# Altium PCB VFDPower.PcbDoc
Units mm, origin at the board's own origin, x right, y up, seen from the top; angles counter-clockwise.
Board outline 90.04 x 90.04 mm, 2 copper layers (Top Layer, Bottom Layer); 23 components, 12 nets, 76 pads, 88 vias.
Unrouted connection lines stored in the file: 3.
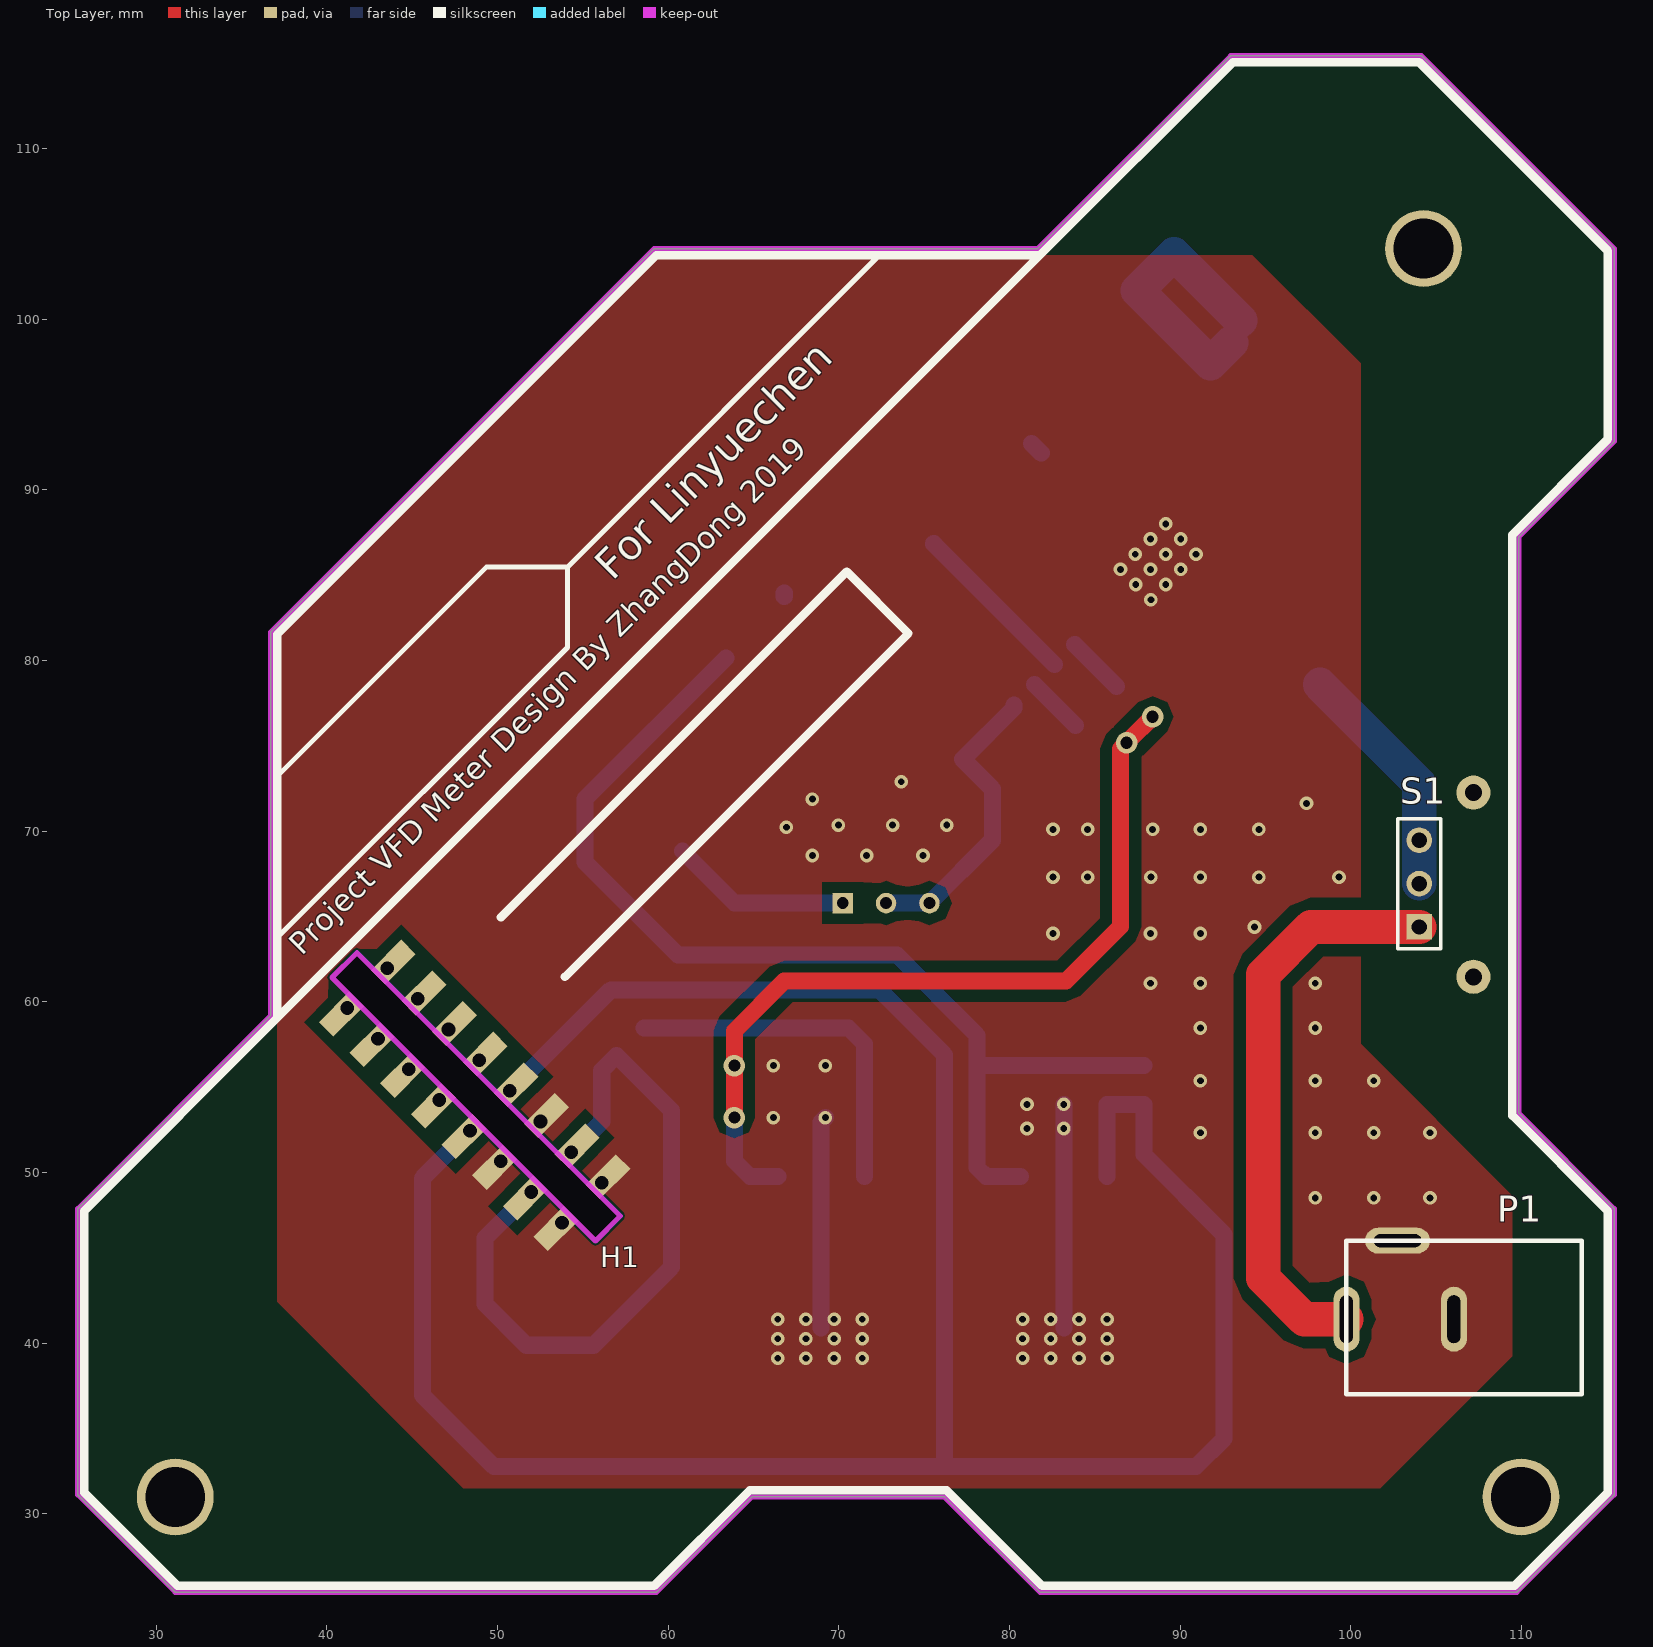
[diagram p0: Top Layer view]
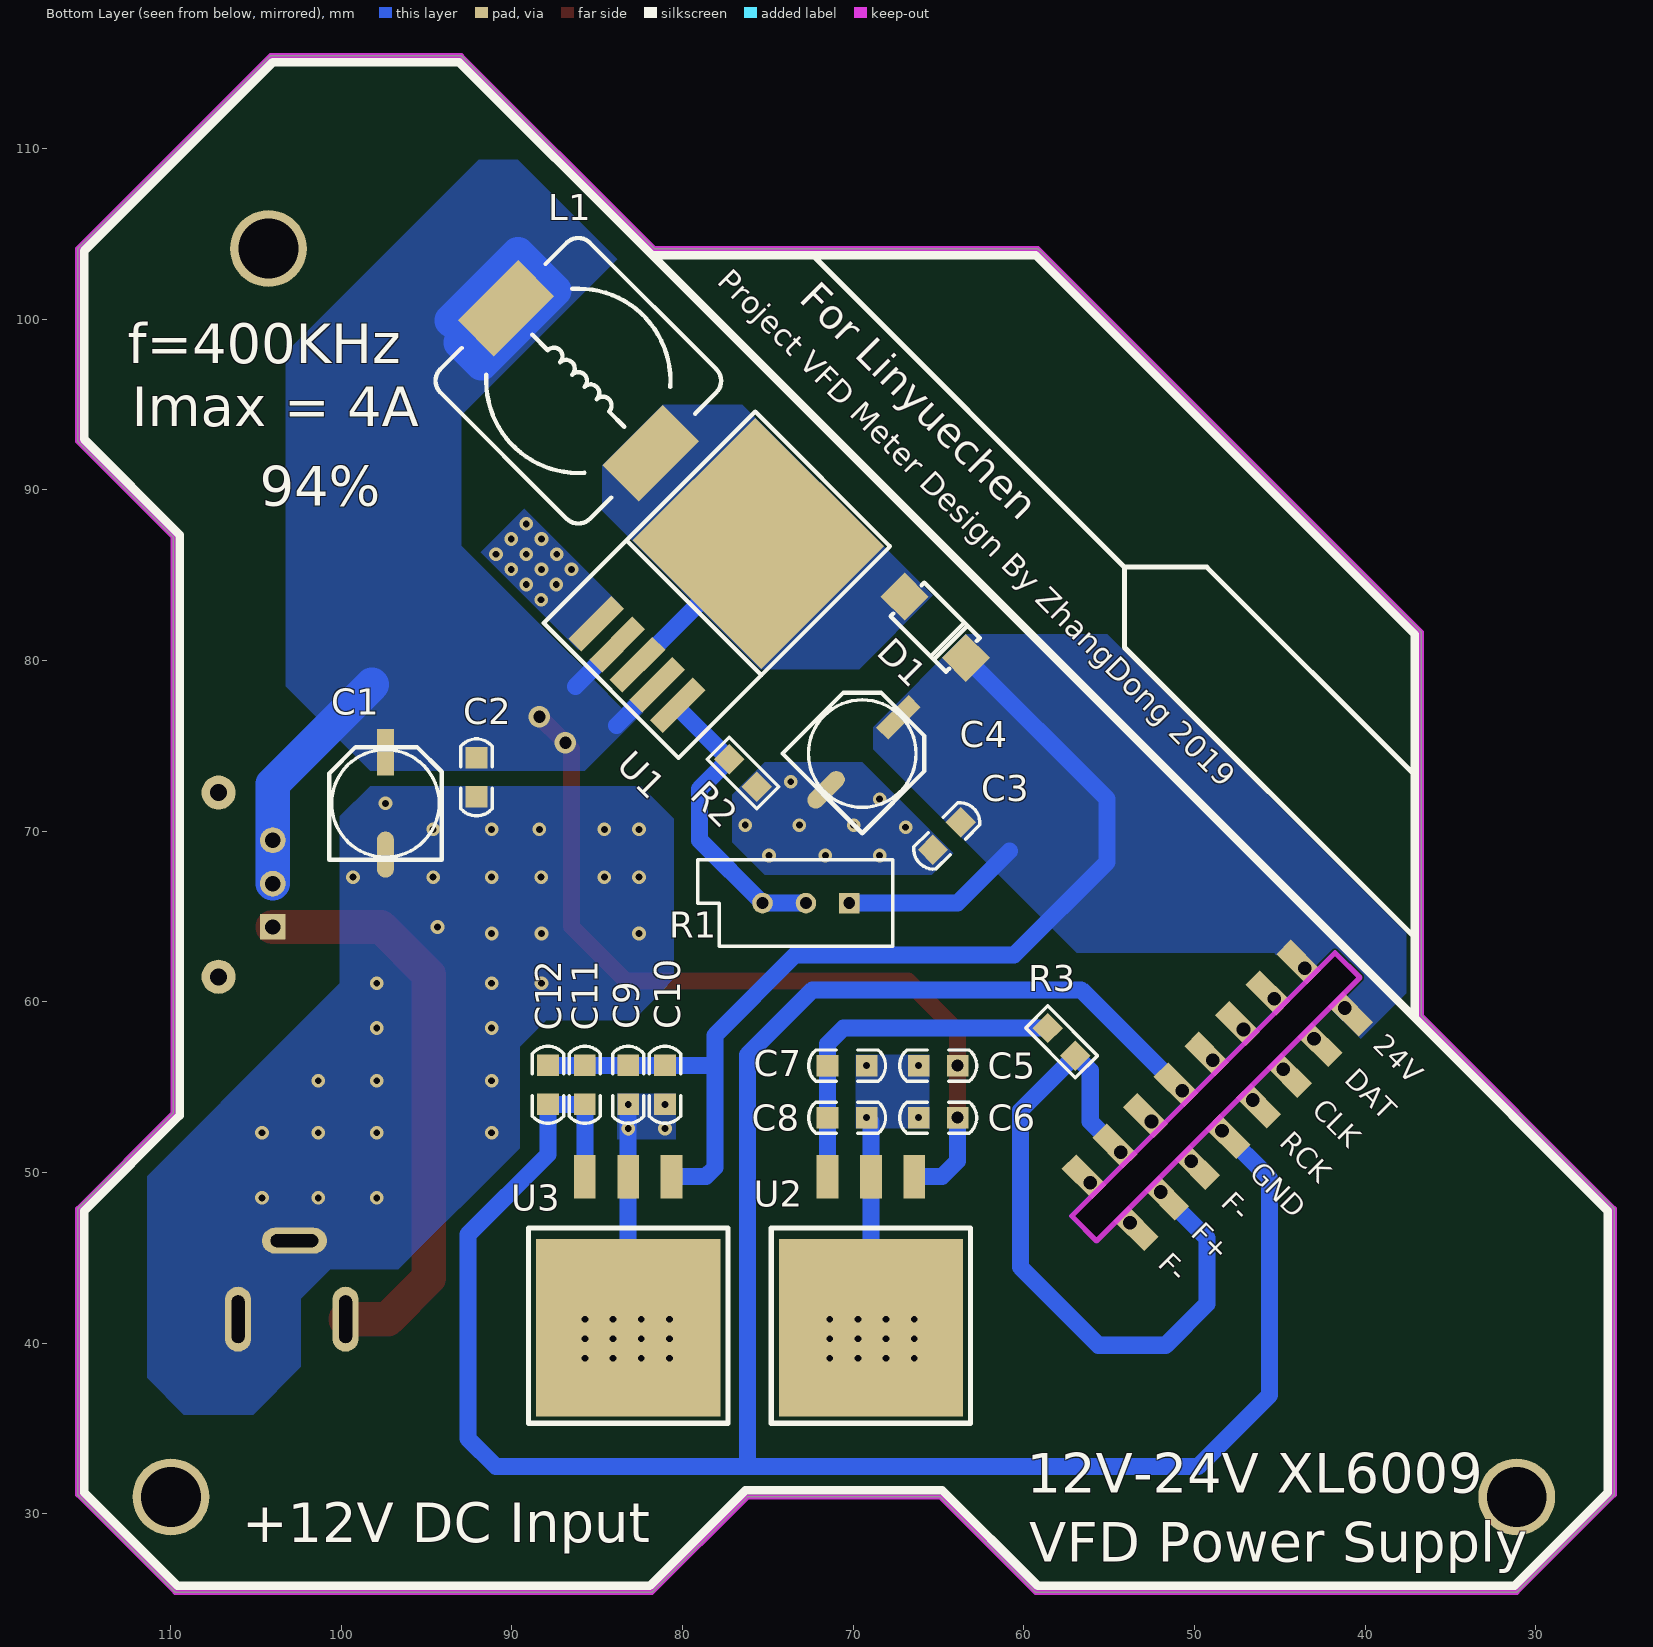
[diagram p1: Bottom Layer view, seen from below]

## Layer stack, top to bottom
Top Solder: solder mask 0.0102, Solder Resist, Dk 3.5
Top Layer: signal copper 0.0356
Dielectric 1: dielectric 0.32, FR-4, Dk 4.8
Bottom Layer: signal copper 0.0356
Bottom Solder: solder mask 0.0102, Solder Resist, Dk 3.5

## Board outline
31.115,25.4 59.309,25.4 64.897,30.988 76.2,30.988 81.788,25.4 109.728,25.4 115.443,31.115 115.443,47.879 109.855,53.467 109.855,87.249 115.443,92.837 115.443,104.14 104.14,115.443 92.964,115.443 81.661,104.14 59.182,104.14 36.703,81.661 36.703,59.182 25.4,47.879 25.4,31.115
cut-out: 55.735,45.992 40.304,61.423 41.765,62.883 57.195,47.453

## Design rules (kind name [scope] priority, off if disabled: settings)
Clearance [All] p1: gap=0.254 ignorepadtopadclearanceinfootprint=FALSE except(0: Arc-Hole Track-Hole SMDPad-Hole THPad-Hole Via-Hole Fill-Hole Poly-Hole Region-Hole Text-Hole; 0.608: Arc-Fill Arc-Poly Arc-Region Track-Fill Track-Poly Track-Region THPad-Fill THPad-Poly THPad-Region)
PlaneConnect [All] p1: planeconnectstyle=Direct reliefexpansion=0.508 reliefentries=4 reliefconductorwidth=0.254 reliefairgap=0.254
PolygonConnect [All] p1: connectstyle=Direct reliefconductorwidth=0.254 reliefentries=4 polygonreliefangle="90 Angle" airgapwidth=0.254
RoutingVias [All] p1: holewidth=0.711 width=1.27 viastyle="Through Hole" minholewidth=0.3 minwidth=0.8 maxholewidth=0.711 maxwidth=1.27
SolderMaskExpansion [All] p1: expansion=0.102
Width [All] p1: maxlimit=10 minlimit=0.254 preferedwidth=0.5
29 further rules are at their usual default settings.

## Components (designator, comment, footprint, x,y, rotation, side; value= is the part's Value field where it differs from the comment)
C1 "35V/220uF" "CM D(6.3*5.4)" 97.409,71.628 r90 bottom
C2 "104" "C 0805" 92.075,73.152 r90 bottom
C3 "104" "C 0805" 64.516,69.723 r135 bottom
C4 "50V/100uF" "CM D(6.3*5.4)" 69.469,74.549 r135 bottom
C5 "105" "C 0805" 65.024,56.261 r180 bottom
C6 "104" "C 0805" 65.024,53.213 r180 bottom
C7 "105" "C 0805" 70.358,56.261 r0 bottom
C8 "104" "C 0805" 70.358,53.213 r180 bottom
C9 "105" "C 0805" 83.185,55.136 r90 bottom
C10 "104" "C 0805" 81.026,55.136 r90 bottom
C11 "105" "C 0805" 85.725,55.136 r90 bottom
C12 "104" "C 0805" 87.884,55.136 r90 bottom
D1 "D 肖特基" "DO-214-M7-  4007贴片" 65.278,82.042 r45 bottom value=SS34
H1 "Seat" SEAT8 41.203,59.635 r315 top
L1 "470" CDRH127 86.106,96.393 r225 bottom
P1 "5.5" DC-5.5*2.1 113.545,46.002 r180 top
R1 "RPot" VR5 72.771,65.786 r0 bottom value=25k
R2 "1K" "R 0805" 76.454,73.406 r45 bottom
R3 "1K" "R 0805" 57.785,57.658 r225 bottom
S1 "Switch" HDR1X3 104.013,64.389 r90 top
U1 "XL6009" TO-263(T) 75.565,86.868 r225 bottom
U2 "7805" TO-263 66.421,49.276 r0 bottom
U3 "7905" TO-263 80.645,49.276 r0 bottom

## Footprints (in the part's own frame and the unit in brackets; to place one, negate y for a bottom-side part, rotate by r counter-clockwise, add the part's x,y. Pads: shape width x height; smd on the part's side, far side on the other; paste and mask are expansions set on the pad)
"C 0805" [mil] "无极性贴片电容"
  rect 50x50 smd: 1(-45,0) 2(45,0)
  silkscreen extent -89,-36 89,36, body extent -39,-24 39,24, height 20
CDRH127 [mm] "12*12*8mm（长宽高）"
  rect 3x5 smd: 1(-6,0) 2(6,0)
  silkscreen extent -6.2,-6.2 6.2,6.2, body extent -6,-6 6,6, height 7.8
"CM D(6.3*5.4)" [mm] "贴片电解电容，直径6.3mm，高5.4mm"
  rect 2.7x1 smd: 1(3,0)
  oval 2.7x1 smd: 2(-3,0)
  silkscreen extent -3.3,-3.3 3.3,3.3, body extent -3.5,-3.3 3.5,3.3, height 5.4
DC-5.5*2.1 [mil]
  oval 60x150 hole 30 slot 110 at 90 deg: 1(543.31,181.1) 3(295.28,181.1)
  oval 150x60 hole 30 slot 110 at 0 deg: 2(425.2,0)
  silkscreen extent 0,0 543,354, body extent -32,-5 566,365, height 472
"DO-214-M7-  4007贴片" [mm]
  rect 2x2 smd: 1(2.413,0) 2(-2.667,0)
  silkscreen extent -2.41,-1.4 2.19,1.4, body extent -2.73,-1.33 2.47,1.27, height 2.53
HDR1X3 [mm] "Connector; Header; 3 Position"
  rect 1.5x1.5 hole 0.9: 1(0,0)
  round 1.5 hole 0.9: 2(2.54,0) 3(5.08,0)
  silkscreen extent -1.27,-1.27 6.35,1.27
"R 0805" [mil] "1/8W贴片电阻"
  rect 50x50 smd: 1(-45,0) 2(45,0)
  silkscreen extent -81,-36 81,36, body extent -39,-25 39,25, height 20
SEAT8 [mm]
  rect 1.2x2.54 hole 0.8 copper offset 0,0.5: 1(0,3.302) 2(2.54,3.302) 3(5.08,3.302) 4(7.62,3.302) 5(10.16,3.302) 6(12.7,3.302) 7(15.24,3.302) 8(17.78,3.302)
  rect 1.2x2.54 hole 0.8 copper offset 0,-0.5: 1(0,0) 2(2.54,0) 3(5.08,0) 4(7.62,0) 5(10.16,0) 6(12.7,0) 7(15.24,0) 8(17.78,0)
TO-263 [mil]
  rect 50x100 smd: 1(0,-19) 2(100,-19) 3(200,-19)
  rect 425x410 smd: 2(100,330)
  silkscreen extent -130,100 330,550
TO-263(T) [mil]
  rect 42x140 smd: 1(-133,-395) 2(-65,-395) 3(1,-395) 4(66,-395) 5(133,-395)
  rect 420x400 smd: 3(0,0)
  silkscreen extent -220,-480 220,210, body extent -199,-408 201,144, height 180
VR5 [mm] "Thru-Hole; 3 Leads"
  rect 1.2x1.2 hole 0.7: 1(-2.54,0)
  round 1.2 hole 0.7: 2(0,0) 3(2.54,0)
  silkscreen extent -5.08,-2.54 6.35,2.54

## Part data
C1 C4: library part C-CM, "贴片电解电容"
C2 C3 C5 C6 C7 C8 C9 C10 C11 C12: library part C, "无极性贴片电容"
L1: library part L-CDRH, "功率屏蔽电感"
P1 S1: library part "Header 3", "Header, 3-Pin", LatestRevisionDate=17-Jul-2002, LatestRevisionNote="Re-released for DXP Platform.", Publisher="Altium Limited"
R1: "Potentiometer", LatestRevisionDate=17-Jul-2002, LatestRevisionNote="Re-released for DXP Platform.", PackageDescription="Variable Resistor, Thru-Hole; 3 Leads", PackageReference=VR5, Published=8-Jun-2000, Publisher="Altium Limited", Set Position=0.5, Sim Note="Enter the Resistance value and the set point into parameter fields."
R2 R3: library part R, "贴片电阻"
U2: library part 78XX
U3: library part 79**
D1: Code_JEDEC=DO-214-AA, LatestRevisionDate=17-Jul-2002, LatestRevisionNote="Re-released for DXP Platform.", PackageDescription="DO-214-AA/SMB; 2 C-Bend Leads; Body 5.3 x 3.6 mm, inc. leads (LxW)", PackageReference=SMB, Published=8-Jun-2000, Publisher="Altium Limited"

## Free pads (board coordinates)
  round 4.5 hole 3.5: 2(104.267,104.14) 3(109.982,30.988) 4(31.115,30.988)
  round 2 hole 1: 5(107.188,61.468) 6(107.188,72.263)

## Via types
v1: diameter 0.8, hole 0.4, Top Layer to Bottom Layer, 84 vias
v2: diameter 1.27, hole 0.711, Top Layer to Bottom Layer, 4 vias

## Nets (pads, with @x,y where several pads share a name; then routed paths per layer and width w, separated by ;. In a path a pad name is that pad's centre, name@x,y a point inside that pad or via, vN(x,y) a via of type N, cw(c..) or ccw(c..) an arc to the next point about the centre after c; other vN are vias at no path point)
+12V: C1.1 C2.2 C5.2 C6.2 L1.1 S1.2 S1.3 U1.2 U1.4 U2.1 | length 85.8
  Top Layer w1: v2(63.881,53.213) v2(63.881,56.261) 63.881,58.293 66.802,61.214 83.312,61.214 86.51,64.412 86.51,74.826 v2(86.868,75.184) ; v2@86.995,75.311 v2(88.392,76.708)
  Bottom Layer w1: v2(63.881,53.213) 63.881,50.673 64.795,49.759 U2.1 ; U1.4 83.862,76.2 ; U1.2 86.282,78.486
  Bottom Layer w2: 93.009,98.639 91.779,97.409 87.503,101.685 89.642,103.823 93.536,99.929 ; 98.196,78.588 104.013,72.771 S1.3 S1.2
+24V: C3.2 C4.1 C9.2 C10.2 C11.2 C12.2 D1.2 H1.1 R1.1 U3.1 | length 73.5
  Bottom Layer w1: 60.833,68.834 63.881,65.786 R1.1 ; D1.2 55.118,71.882 55.118,68.199 60.579,62.738 73.406,62.738 78.105,58.039 78.105,56.279 ; U3.1 78.638,49.759 78.105,50.292 78.105,56.279 ; C12.2 C11.2 C9.2 C10.2 78.105,56.279
CLK: H1.3
DAT: H1.2
F+: H1.7 R3.2 | length 42
  Bottom Layer w1: H1.7@51.979,48.859 49.276,46.156 49.276,42.291 51.689,39.878 55.626,39.878 60.198,44.45 60.198,53.629 R3.2 56.11,55.983 56.11,52.99 H1.7@54.314,51.194
F-: C1.2 C2.1 C3.1 C4.2 C5.1 C6.1 C7.1 C8.2 C9.1 C10.1 H1.6 H1.8 P1.2 P1.3 R2.1 U1.1 U2.2 U3.2 | length 25.5
  Bottom Layer w1: U2.2@68.961,40.894 68.961,49.759 68.961,52.959 v1(69.215,53.213) ; U3.2@83.185,40.894 83.185,49.759 v1(83.185,53.993)
  other v1: 66.421,39.116 68.072,39.116 69.723,39.116 71.374,39.116 80.772,39.116 82.423,39.116 84.074,39.116 85.725,39.116 66.421,40.259 68.072,40.259 69.723,40.259 71.374,40.259 80.772,40.259 82.423,40.259 84.074,40.259 85.725,40.259 66.421,41.402 68.072,41.402 69.723,41.402 71.374,41.402 80.772,41.402 82.423,41.402 84.074,41.402 85.725,41.402 97.917,48.514 101.346,48.514 104.648,48.514 91.186,52.324 97.917,52.324 101.346,52.324 104.648,52.324 81.026,52.578 83.185,52.578 66.167,53.213 81.026,53.993 91.186,55.372 97.917,55.372 101.346,55.372 66.167,56.261 69.215,56.261 91.186,58.466 97.917,58.466 88.265,61.087 91.186,61.087 97.917,61.087 82.55,64.008 88.265,64.008 91.186,64.008 94.361,64.389 82.55,67.31 84.582,67.31 88.288,67.31 91.186,67.31 94.615,67.31 99.314,67.31 68.453,68.58 71.628,68.58 74.93,68.58 82.55,70.104 84.582,70.104 88.392,70.104 91.186,70.104 94.615,70.104 66.929,70.231 69.977,70.358 73.152,70.358 76.327,70.358 97.409,71.628 68.453,71.882 73.66,72.898 88.288,83.566 87.399,84.455 89.154,84.455 86.51,85.344 88.265,85.344 90.043,85.344 87.376,86.233 89.154,86.233 90.932,86.233 88.265,87.122 90.043,87.122 89.154,88.011
GND: C11.1 C12.1 H1.5 U3.3 | length 147.6
  Bottom Layer w1: H1.5@48.387,52.451 45.593,49.657 45.593,36.957 49.784,32.766 76.2,32.766 ; H1.5@50.722,54.786 56.642,60.706 72.39,60.706 76.2,56.896 76.2,32.766 ; U3.3 C11.1 C12.1 87.884,51.054 92.583,46.355 92.583,34.417 90.932,32.766 76.2,32.766
NetC7_2: C7.2 C8.1 R3.1 U2.3 | length 21.1
  Bottom Layer w1: R3.1 70.566,58.466 71.501,57.531 C7.2 C8.1 U2.3
NetD1_1: D1.1 L1.2 U1.3 | length 11
  Bottom Layer w1: D1.1@66.802,83.748 D1.1@66.802,83.947 ; U1.3@75.565,86.868 75.565,86.832 U1.3@82.641,79.756 ; L1.2@81.304,92.71 L1.2
NetP1_1: P1.1 S1.1 | length 34
  Top Layer w2: P1.1 97.282,41.402 94.869,43.815 94.869,61.595 97.663,64.389 S1.1
NetR1_2: R1.2 R1.3 R2.2 U1.5 | length 17.6
  Bottom Layer w1: R1.2 R1.3 78.994,69.469 78.994,72.482 R2.2 80.271,77.223 U1.5
RCK: H1.4

## Polygon pours and split planes (outlines as drawn)
F- on Bottom Layer "F-_L02_P030" (solid, pour order 30): 100.647,44.323 102.362,42.608 102.362,38.608 105.156,35.814 109.22,35.814 111.379,37.973 111.379,49.784 107.061,54.102
F- on Bottom Layer "F-_L02_P024" (solid, pour order 24): 87.716,59.182 89.535,57.363 89.535,51.435 96.647,44.323 104.648,44.323 107.061,46.736 107.061,54.102 100.076,61.087
F- on Bottom Layer "F-_L02_P014" (solid, pour order 14): 80.391,54.61 80.391,51.943 83.82,51.943 83.82,54.61
F- on Bottom Layer "F-_L02_P012" (solid, pour order 12): 65.532,56.896 65.532,52.578 69.85,52.578 69.85,56.896
F- on Bottom Layer "F-_L02_P010" (solid, pour order 10): 82.423,72.644 98.298,72.644 100.076,70.866 100.076,61.087 97.917,58.928 82.86,58.928 80.518,61.367 80.518,70.739
F- on Bottom Layer "F-_L02_P008" (solid, pour order 8): 64.135,68.707 69.469,74.041 75.184,74.041 77.089,72.136 77.089,69.342 75.184,67.437 65.405,67.437
F- on Bottom Layer "F-_L02_P006" (solid, pour order 6): 83.693,83.312 89.281,88.9 91.821,86.36 86.038,80.577
+24V on Bottom Layer "+24V_L02_P004" (solid, pour order 4): 63.392,81.534 68.834,76.092 68.834,74.803 56.896,62.865 45.339,62.865 45.212,62.738 44.704,63.246 44.069,63.246 42.672,61.849 41.701,62.82 40.304,61.423 42.037,59.69 42.037,59.617 40.259,57.839 37.592,60.506 37.592,64.008 55.118,81.534
NetD1_1 on Bottom Layer "NETD1_1_L02_P002" (solid, pour order 2): 81.153,94.996 76.5,94.996 65.324,83.82 69.642,79.502 75.438,79.502 84.709,88.773 84.709,91.44
+12V on Bottom Layer "+12V_L02_P000" (solid, pour order 0): 83.827,103.505 89.669,109.347 91.948,109.347 103.251,98.044 103.251,78.486 98.298,73.533 85.725,73.533 82.296,76.962 83.058,77.724 83.566,77.216 85.217,78.867 84.646,79.439 85.344,80.137 85.852,79.629 87.249,81.026 92.964,86.741 92.964,94.361
F- on Top Layer "F-_L01_P020" (solid, pour order 20): 81.788,103.759 59.309,103.759 37.084,81.534 37.084,42.418 48.006,31.496 101.727,31.496 109.474,39.243 109.474,48.641 100.584,57.531 100.584,97.409 94.234,103.759
no net on Top Layer "NONET_L01_P018" (solid, pour order 18): 89.662,109.347

## Keep-outs
Keep-Out Layer:
  lines w0.3: 25.4,31.115 31.115,25.4 59.182,25.4 59.309,25.4 64.897,30.988 76.2,30.988 81.788,25.4 109.728,25.4 115.443,31.115 115.443,47.879 109.855,53.467 109.855,87.249 115.443,92.837 115.443,104.14 104.14,115.443 92.964,115.443 81.661,104.14 59.182,104.14 36.703,81.661 36.703,59.182 25.4,47.879 25.4,31.115 ; 40.304,61.423 55.735,45.992 57.195,47.453 41.765,62.883 40.304,61.423

## Silkscreen, mask and mechanical layers (free items; w line width, h text height)
Top Overlay:
  lines w0.3: 37.084,63.754 54.102,80.772 54.102,85.471 ; 37.119,73.244 49.345,85.471 54.102,85.471 ; 72.39,103.759 54.102,85.471
  lines w0.5: 36.195,58.166 81.788,103.759 ; 50.205,64.955 70.462,85.211 74.081,81.592 53.952,61.462 ; 81.788,103.759 59.309,103.759 37.084,81.534 37.084,59.055 25.781,47.752 25.781,31.242 31.242,25.781 59.182,25.781 64.77,31.369 76.327,31.369 81.915,25.781 109.601,25.781 115.062,31.242 115.062,47.752 109.474,53.34 109.474,87.376 115.062,92.964 115.062,104.013 104.013,115.062 93.091,115.062 81.788,103.759
  text "For Linyuechen" at 57.15,84.201 h3 r45
  text "Project VFD Meter Design By ZhangDong 2019" at 38.862,62.357 h2.25 r45
Bottom Overlay:
  lines w0.3: 37.084,63.754 54.102,80.772 54.102,85.471 ; 37.084,73.279 49.276,85.471 54.102,85.471 ; 72.39,103.759 54.102,85.471
  lines w0.5: 37.084,59.055 81.788,103.759 ; 37.084,59.055 37.084,81.534 59.309,103.759 81.788,103.759 ; 37.084,59.055 25.781,47.752 25.781,31.242 31.242,25.781 59.182,25.781 64.77,31.369 76.327,31.369 81.915,25.781 109.601,25.781 115.062,31.242 115.062,47.752 109.474,53.34 109.474,87.376 115.062,92.964 115.062,104.013 104.013,115.062 93.091,115.062 81.788,103.759
  text "Project VFD Meter Design By ZhangDong 2019" at 78.359,101.854 h2.25 r45
  text "For Linyuechen" at 73.66,100.711 h3 r45
  text "f=400KHz" at 112.522,96.647 h4
  text "Imax = 4A" at 112.268,92.964 h4
  text "94%" at 104.775,88.311 h4
  text "24V" at 39.624,57.404 h1.2 r45
  text "DAT" at 41.275,55.372 h1.2 r45
  text "CLK" at 43.18,53.594 h1.2 r45
  text "RCK" at 45.085,51.689 h1.2 r45
  text "GND" at 46.863,49.911 h1.2 r45
  text "F-" at 48.514,48.133 h1.2 r45
  text "F+" at 50.292,46.355 h1.2 r45
  text "F-" at 52.197,44.577 h1.2 r45
  text "12V-24V XL6009" at 59.817,30.48 h4
  text "+12V DC Input" at 105.791,27.559 h4
  text "VFD Power Supply" at 59.69,26.416 h4